# KiCad board ws2812-clock.kicad_pcb (continued)
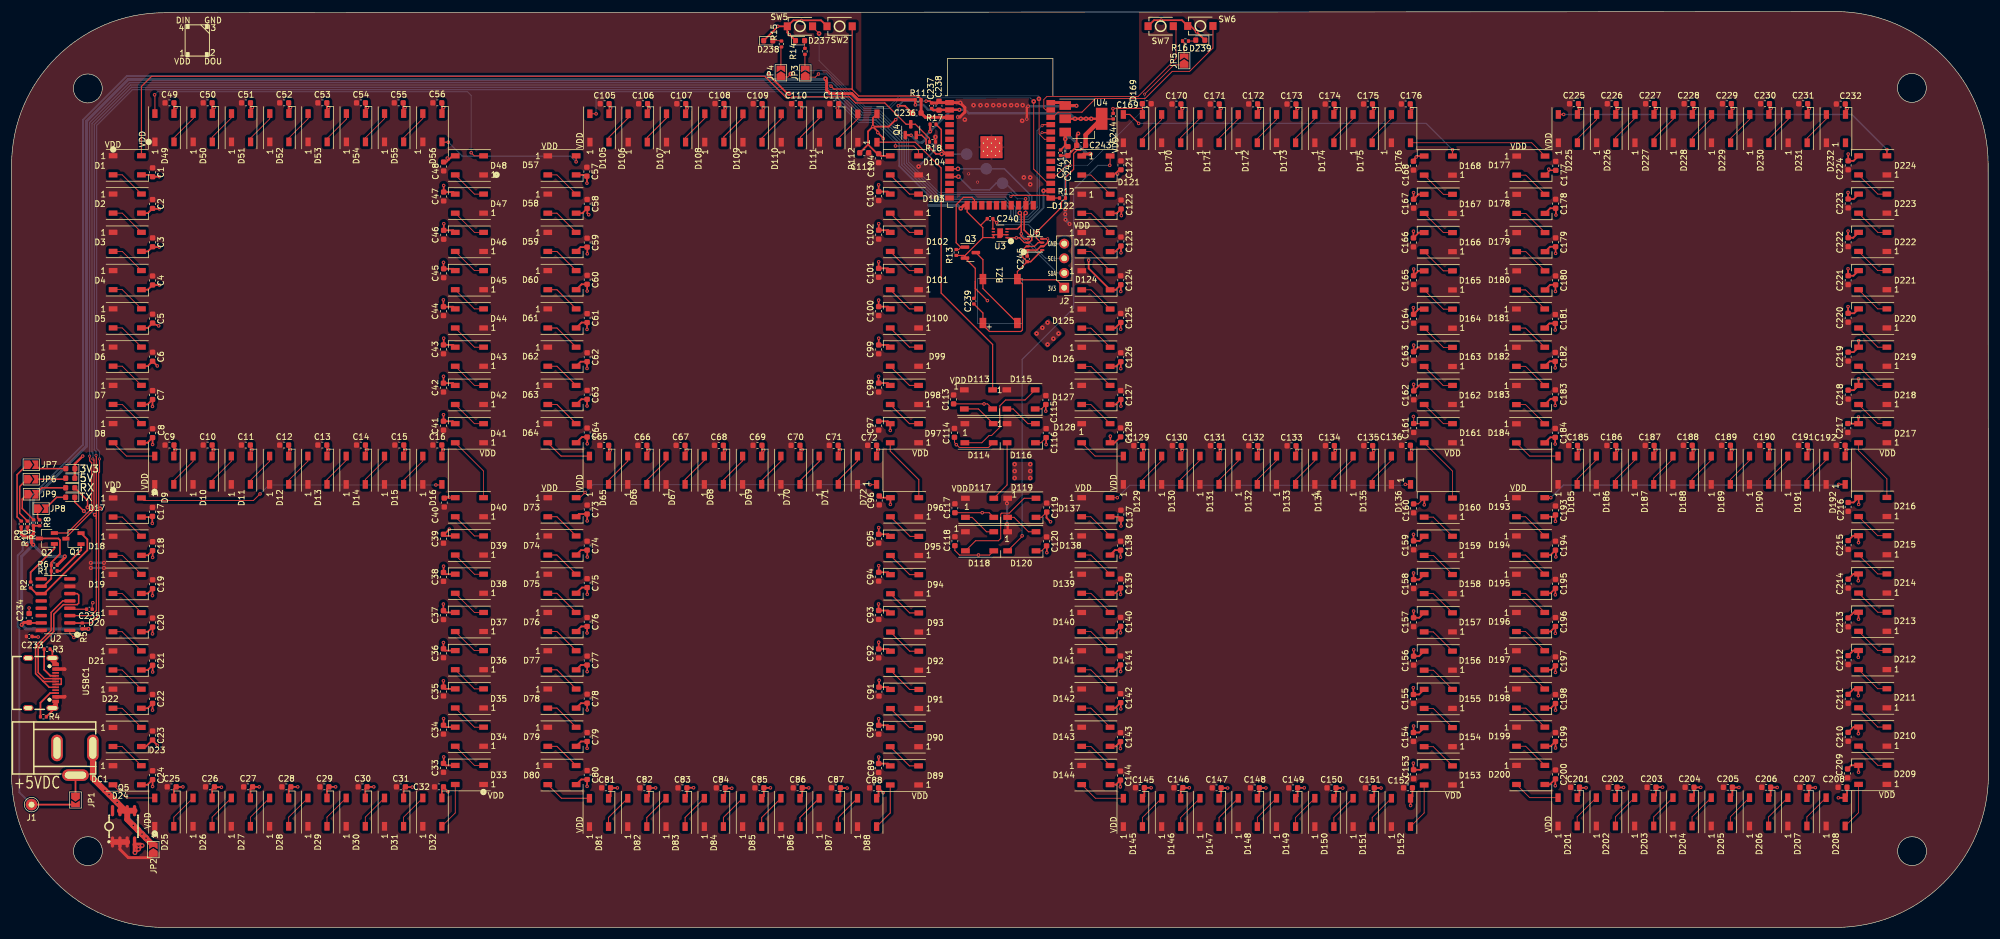
[diagram p0: board, top side]
## Routing (per net, layer and track width the routed paths; a pad name or vN(x,y) marks a point on that pad's centre or on a via; arc(x,y) is an arc through that point) (continued)
  Bottom w0.15: v1(139.5,147.65) 140.93,147.65 147.26,141.32 150.11,141.32 155.08,136.35 155.08,132.41 160.35,127.15 172.8,127.15 173.9,126.05 v1(175.3,126.05)
/BARREL_JACK_STATUS: length 320.2
  Top w0.3: U1.26 179.64,127.45 v3(178.4,127.45) ; J1.1 10.98,21.25 JP1.2 ; v3(130.9,147.55) 130.9,147.48 134.13,144.25 v3(134.4,144.25)
  Bottom w0.3: v3(178.4,127.45) 178.4,124.5 175.94,122.04 173.66,122.04 172.75,122.95 172.75,124.2 171.42,125.52 159.67,125.52 153.46,131.74 153.46,135.68 149.44,139.7 146.58,139.7 142.18,144.1 141.05,144.1 140.65,144.5 134.65,144.5 v3(134.4,144.25) ; J1.1 1.35,23.35 1.35,51.76 1.05,52.06 1.05,64.35 1.92,65.22 1.92,66.49 2.25,66.82 2.25,68.79 3.15,69.69 3.15,74.31 12.35,83.51 12.35,139.73 19.92,147.3 130.65,147.3 v3(130.9,147.55)
/BEEPER: length 14.9
  Top w0.2: U1.16 166.46,125.89 166.05,126.3 164.55,126.3 163.3,125.05 163.3,118.45 164.05,117.7 Q3.1 164.15,117.7 163.73,117.28 R13.2
/EN: length 239.7
  Top w0.2: v1(141.65,145.55) 142.15,145.05 145.25,145.05 145.33,144.97 ; v4(14.05,81.05) 14.25,80.85 14.25,72.3 9.39,67.44 Q1.3 ; 145.33,144.97 146.45,143.85 156.73,143.85 157.22,143.36 R11.2 ; 145.33,144.97 SW2.2
  Top w0.5: U1.3 157.97,140.16 C236.2 157.23,143.18 R11.2
  Bottom w0.2: v1(141.65,145.55) 141.45,145.75 20.57,145.75 13.9,139.08 13.9,82.25 14.05,82.1 v4(14.05,81.05)
/ESP_RX: length 290.9
  Top w0.2: R5.1 13.71,52.66 15.05,54 15.05,72.6 ; 15.05,72.6 15.05,78.65 15.2,78.8 v4(15.2,81.05) ; 15.05,72.6 15.2,72.6 v2(15.3,72.5) ; U1.34 179.53,137.5 v4(178.15,137.5)
  Top w0.25: v2(13.13,72.67) 13.13,73.85 D233.1
  Top w0.3: R5.1 10.09,52.66 U2.2
  Bottom w0.2: v2(15.3,72.5) 15.2,72.6 13.2,72.6 v2(13.13,72.67) ; v4(178.15,137.5) 177.7,137.05 177.7,124.44 175.76,122.49 173.84,122.49 173.2,123.13 173.2,124.38 171.61,125.97 159.86,125.97 153.91,131.93 153.91,135.87 149.63,140.15 146.77,140.15 142.37,144.55 141.24,144.55 140.84,144.95 20.9,144.95 14.7,138.75 14.7,82.85 15.2,82.35 v4(15.2,81.05)
/ESP_TX: length 290.4
  Top w0.2: 14.65,70.7 14.65,71.6 14.6,71.6 v2(14.4,71.4) ; 14.65,70.7 14.65,81.63 v4(14.6,81.68) ; 14.65,70.7 14.65,54.83 13.76,53.94 U2.3 ; U1.35 178.34,138.89 v4(178.15,138.7)
  Top w0.25: v2(12.5,72.03) 10.92,73.61 D234.1
  Bottom w0.2: v4(14.6,81.68) 14.6,82.35 14.3,82.65 14.3,138.92 20.73,145.35 141.05,145.35 141.05,145.3 141.4,144.95 142.53,144.95 146.93,140.55 149.79,140.55 154.31,136.03 154.31,132.09 160.02,126.37 171.78,126.37 173.6,124.55 173.6,123.3 174.01,122.89 175.59,122.89 177.3,124.6 177.3,137.85 v4(178.15,138.7) ; v2(12.5,72.03) 12.83,71.7 14.1,71.7 v2(14.4,71.4)
/Flasher/DTR: length 13.3
  Top w0.3: Q2.3 8.09,67.29 8.36,67.01 8.36,64.61 6.87,63.12 R6.1 6.86,62.67 R1.1 6.86,60.35 5.54,59.02 U2.10
/Flasher/RTS: length 16.7
  Top w0.3: Q1.2 13.1,67.12 13.1,65.25 5.61,57.75 U2.11 4.29,57.75 R2.1
/Flasher/USB_DN: length 25.7
  Top w0.25: USBC1.A7 8.54,42.04 8.6,42.1 8.6,42.99 8.54,43.04 USBC1.B7 5.66,43.04 4.6,44.1 4.6,48.51 7.3,51.21 7.3,54.2 8.95,55.85 11.35,55.85 11.6,56.1 11.6,57.5 11.34,57.75 U2.6
/Flasher/USB_DP: length 22.5
  Top w0.25: 5.4,42.65 6.51,41.54 USBC1.B6 ; 5.4,42.65 5.51,42.54 USBC1.A6 ; 5.4,42.65 4.15,43.9 4.15,48.7 6.85,51.4 6.85,54.5 8.84,56.48 U2.5
/IO0: length 256.4
  Top w0.2: Q2.2 9.62,68.24 13.85,72.47 13.85,80.39 13.5,80.74 v4(13.5,81.55) ; R12.2 U1.25 179.19,126.65 172.96,126.65 v4(172.76,126.45)
  Bottom w0.2: v4(13.5,81.55) 13.5,139.25 20.4,146.15 141.9,146.15 147.1,140.95 149.96,140.95 154.71,136.2 154.71,132.26 160.19,126.77 172.43,126.77 v4(172.76,126.45)
/LEDS: length 18.4
  Top w0.25: Q4.2 157.32,137.07 158.09,136.31 158.09,135.52 159.81,133.81 v5(160.79,133.81) U1.8 161.56,133.81 160.73,134.64 160.73,138.03 R17.2
  Bottom w0.25: v5(160.79,133.81) 160.81,133.79 LEDS.1
/SCL: length 37
  Top w0.25: 174.55,121.5 173.9,120.85 U3.4 ; 174.55,121.5 174.55,123.34 v5(174.3,123.59) ; 174.55,121.5 v1(174.55,120) 174.55,119.6 175.01,119.14 U5.4 ; v5(163.69,129.89) 162.26,129.89 U1.11
  Bottom w0.2: v1(174.55,120) 178.79,115.76 J2.3
  Bottom w0.25: v5(174.3,123.59) 174.3,124.17 175.92,125.79 175.92,126.31 175.56,126.67 173.88,126.67 171.8,128.75 SCL.1 170.2,128.75 169.06,127.6 165.97,127.6 v5(163.69,129.89)
/SDA: length 40.5
  Top w0.2: U3.1 172.12,119.3 v1(173.7,119.3) 174.25,119.3 175.07,118.48 U5.3
  Top w0.25: v5(175.3,123.59) 175.05,123.34 175.05,120.66 176.36,119.35 176.36,118.91 175.92,118.48 U5.3 ; v5(163.61,131.24) 162.18,131.24 U1.10
  Bottom w0.2: v1(173.7,119.3) 174.68,119.3 180.76,113.22 J2.2
  Bottom w0.25: v5(175.3,123.59) 175.3,124.53 176.38,125.6 176.38,126.5 171.62,131.25 SDA.1 167.77,131.25 167.76,131.24 v5(163.61,131.24)
/SNOOZE_ALARM: length 34.4
  Top w0.13: SW7.2 201.3,155.45 201.3,150.31 194.74,143.75 178.97,143.75 178.45,143.23 178.45,141.75 178.77,141.43 U1.37
/STA_STATUS_LED: length 63.6
  Top w0.15: v3(176.7,142.91) 176.7,131.2 179.17,128.73 U1.27 ; JP4.1 134.17,147.12 v3(134.7,147.65)
  Bottom w0.15: v3(176.7,142.91) 176.08,143.52 153.67,143.52 151.82,141.67 147.4,141.67 140.83,148.25 135.3,148.25 v3(134.7,147.65)
/TOGGLE_ALARM: length 36.8
  Top w0.15: U1.36 180.01,140.16 180.9,141.05 185.05,141.05 187.41,143.41 195.96,143.41 200.65,148.1 203.65,148.1 207.69,152.14 SW6.2
/TOGGLE_AP: length 57.6
  Top w0.13: U1.33 178.57,136.35 177.63,137.29 177.63,143.41 177.6,143.45 ; SW5.2 138.47,155.78 v3(139.6,154.65)
  Bottom w0.13: 177.6,143.25 177.6,143.75 177.48,143.86 153.53,143.86 151.68,142.01 147.54,142.01 139.6,149.96 v3(139.6,154.65)
  vias: v3(177.6,143.35)
Net-(BZ1-+): length 15.2
  Top w0.2: Q3.3 167.92,115.53 BZ1.2 167.92,110.53 BZ1.2
Net-(D1-DIN): length 154.1
  Top w0.2: R18.1 158.69,136.51 156.25,138.95 Q4.3 154.65,138.95 150.96,142.64 145.91,142.64 144.85,143.7 134.94,143.7 134.79,143.55 133.9,143.55 130.2,147.25 24.2,147.25 22.45,145.5 D1.4
Net-(D1-DOUT): length 6.3
  Top w0.13: D1.2 19.13,130.2 D2.4
Net-(D2-DOUT): length 6.3
  Top w0.13: D2.2 19.13,123.58 D3.4
Net-(D3-DOUT): length 6.3
  Top w0.13: D4.4 19.13,116.96 D3.2
Net-(D4-DOUT): length 6.3
  Top w0.13: D5.4 19.13,110.34 D4.2
Net-(D5-DOUT): length 6.3
  Top w0.13: D5.2 19.13,103.72 D6.4
Net-(D6-DOUT): length 6.3
  Top w0.13: D7.4 19.13,97.1 D6.2
Net-(D7-DOUT): length 6.3
  Top w0.13: D8.4 19.13,90.48 D7.2
Net-(D8-DOUT): length 8.2
  Top w0.13: D8.2 19.86,81.55 D9.4
Net-(D10-DIN): length 6.3
  Top w0.13: D9.2 28.05,77.3 31.37,80.62 D10.4
Net-(D10-DOUT): length 6.3
  Top w0.13: D10.2 34.67,77.32 37.99,80.64 D11.4
Net-(D11-DOUT): length 6.3
  Top w0.13: D11.2 41.29,77.34 44.61,80.66 D12.4
Net-(D12-DOUT): length 6.3
  Top w0.13: D12.2 47.91,77.36 51.23,80.68 D13.4
Net-(D13-DOUT): length 6.3
  Top w0.13: D14.4 57.85,80.8 54.53,77.48 D13.2
Net-(D14-DOUT): length 6.3
  Top w0.13: D15.4 64.47,80.82 61.15,77.5 D14.2
Net-(D15-DOUT): length 6.3
  Top w0.13: D15.2 67.77,77.38 71.09,80.69 D16.4
Net-(D16-DOUT): length 53.3
  Top w0.15: v1(73.35,76.55) 74.29,76.55 D16.2 ; D17.4 22.89,73.86 41.81,73.86 v1(42.95,75)
  Bottom w0.15: v1(42.95,75) 44.5,76.55 v1(73.35,76.55)
Net-(D17-DOUT): length 6.3
  Top w0.13: D17.2 19.13,71 D18.4
Net-(D18-DOUT): length 6.2
  Top w0.13: D19.4 19.13,64.38 D18.2
Net-(D19-DOUT): length 6.3
  Top w0.13: D20.4 19.11,57.78 D19.2
Net-(D20-DOUT): length 6.3
  Top w0.13: D20.2 19.11,51.16 D21.4
Net-(D21-DOUT): length 6.3
  Top w0.13: D21.2 19.11,44.54 D22.4
Net-(D22-DOUT): length 6.3
  Top w0.13: D23.4 19.11,37.92 D22.2
Net-(D23-DOUT): length 6.3
  Top w0.13: D24.4 19.11,31.3 D23.2
Net-(D24-DOUT): length 8.2
  Top w0.13: D25.4 19.81,22.4 D24.2
Net-(D25-DOUT): length 6.3
  Top w0.13: D25.2 28.05,19.08 D26.4
Net-(D26-DOUT): length 6.3
  Top w0.13: D26.2 34.67,19.08 D27.4
Net-(D27-DOUT): length 6.3
  Top w0.13: D28.4 41.29,19.08 D27.2
Net-(D28-DOUT): length 6.3
  Top w0.13: D28.2 47.91,19.08 D29.4
Net-(D29-DOUT): length 6.3
  Top w0.13: D30.4 54.53,19.08 D29.2
Net-(D30-DOUT): length 6.3
  Top w0.13: D30.2 61.15,19.08 D31.4
Net-(D31-DOUT): length 6.3
  Top w0.13: D32.4 67.77,19.08 D31.2
Net-(D32-DOUT): length 8.2
  Top w0.13: D32.2 76.7,19.81 D33.4
Net-(D33-DOUT): length 6.3
  Top w0.13: D34.4 80.02,28.03 D33.2
Net-(D34-DOUT): length 6.3
  Top w0.13: D34.2 80.02,34.65 D35.4
Net-(D35-DOUT): length 6.3
  Top w0.13: D36.4 80.02,41.27 D35.2
Net-(D36-DOUT): length 6.3
  Top w0.13: D37.4 80,47.89 D36.2
Net-(D37-DOUT): length 6.3
  Top w0.13: D38.4 80.02,54.49 D37.2
Net-(D38-DOUT): length 6.3
  Top w0.13: D38.2 80.02,61.11 D39.4
Net-(D39-DOUT): length 6.3
  Top w0.13: D39.2 80.02,67.73 D40.4
Net-(D40-DOUT): length 11.5
  Top w0.13: D40.2 81.6,78.95 D41.4
Net-(D41-DOUT): length 6.3
  Top w0.13: D41.2 80.02,87.15 D42.4
Net-(D42-DOUT): length 6.3
  Top w0.13: D43.4 80.02,93.77 D42.2
Net-(D43-DOUT): length 6.3
  Top w0.13: D44.4 80.02,100.39 D43.2
Net-(D44-DOUT): length 6.3
  Top w0.13: D45.4 80.02,107.01 D44.2
Net-(D45-DOUT): length 6.3
  Top w0.13: D45.2 80.02,113.63 D46.4
Net-(D46-DOUT): length 6.3
  Top w0.13: D47.4 80.02,120.25 D46.2
Net-(D47-DOUT): length 6.3
  Top w0.13: D47.2 80.02,126.87 D48.4
Net-(D48-DOUT): length 70.8
  Top w0.15: v1(24.73,144.05) 24.78,144 D49.4 ; v1(79.45,134.02) 79.98,133.49 D48.2
  Bottom w0.15: v1(79.45,134.02) 79.45,143.95 78.82,144.57 25.25,144.57 v1(24.73,144.05)
Net-(D49-DOUT): length 6.3
  Top w0.13: D50.4 31.4,139.95 28.08,136.63 D49.2
Net-(D50-DOUT): length 6.3
  Top w0.13: D51.4 38.02,140.07 34.7,136.75 D50.2
Net-(D51-DOUT): length 6.3
  Top w0.13: D52.4 44.64,139.89 41.32,136.57 D51.2
Net-(D52-DOUT): length 6.3
  Top w0.13: D53.4 51.26,139.91 47.94,136.59 D52.2
Net-(D53-DOUT): length 6.3
  Top w0.13: D54.4 57.88,139.83 54.56,136.51 D53.2
Net-(D54-DOUT): length 6.3
  Top w0.13: D54.2 61.18,136.63 64.48,139.93 D55.4
Net-(D55-DOUT): length 6.3
  Top w0.13: D56.4 71.1,139.95 67.78,136.63 D55.2
Net-(D56-DOUT): length 25.7
  Top w0.2: D57.4 v1(97.6,132.45) ; v1(75.5,135.85) 74.45,135.85 D56.2
  Bottom w0.2: v1(97.6,132.45) 96.62,133.42 77.93,133.42 v1(75.5,135.85)
Net-(D57-DOUT): length 6.3
  Top w0.13: D57.2 94.28,130.19 D58.4
Net-(D58-DOUT): length 6.3
  Top w0.16: D59.4 94.28,123.57 D58.2
Net-(D59-DOUT): length 6.3
  Top w0.16: D59.2 94.28,116.95 D60.4
Net-(D60-DOUT): length 6.3
  Top w0.16: D60.2 94.28,110.33 D61.4
Net-(D61-DOUT): length 6.3
  Top w0.16: D61.2 94.28,103.71 D62.4
Net-(D62-DOUT): length 6.3
  Top w0.16: D63.4 94.28,97.09 D62.2
Net-(D63-DOUT): length 6.3
  Top w0.16: D64.4 94.28,90.47 D63.2
Net-(D64-DOUT): length 8.2
  Top w0.16: D65.4 95,81.55 D64.2
Net-(D65-DOUT): length 6.3
  Top w0.16: D65.2 103.2,77.35 106.52,80.67 D66.4
Net-(D66-DOUT): length 6.3
  Top w0.16: D67.4 113.14,80.69 109.82,77.37 D66.2
Net-(D67-DOUT): length 6.3
  Top w0.16: D67.2 116.44,77.49 119.76,80.81 D68.4
Net-(D68-DOUT): length 6.3
  Top w0.16: D69.4 126.38,80.73 123.06,77.41 D68.2
Net-(D69-DOUT): length 6.3
  Top w0.16: D69.2 129.68,77.33 133,80.65 D70.4
Net-(D70-DOUT): length 6.3
  Top w0.16: D71.4 139.62,80.62 136.3,77.3 D70.2
Net-(D71-DOUT): length 6.3
  Top w0.16: D72.4 146.24,80.69 142.92,77.37 D71.2
Net-(D72-DOUT): length 52.9
  Top w0.15: v1(99.15,75.25) 98.25,74.35 D73.4 ; D72.2 149.49,76.6 v1(148.4,76.6)
  Bottom w0.15: v1(148.4,76.6) 100.5,76.6 v1(99.15,75.25)
Net-(D73-DOUT): length 6.3
  Top w0.16: D73.2 94.28,71.05 D74.4
Net-(D74-DOUT): length 6.3
  Top w0.16: D75.4 94.28,64.43 D74.2
Net-(D75-DOUT): length 6.3
  Top w0.16: D76.4 94.28,57.81 D75.2
Net-(D76-DOUT): length 6.3
  Top w0.16: D77.4 94.28,51.19 D76.2
Net-(D77-DOUT): length 6.3
  Top w0.16: D77.2 94.28,44.57 D78.4
Net-(D78-DOUT): length 6.3
  Top w0.16: D79.4 94.28,37.95 D78.2
Net-(D79-DOUT): length 6.3
  Top w0.16: D79.2 94.28,31.33 D80.4
Net-(D80-DOUT): length 8.2
  Top w0.16: D81.4 95.06,22.35 D80.2
Net-(D81-DOUT): length 6.3
  Top w0.16: D82.4 103.2,19.03 D81.2
Net-(D82-DOUT): length 6.3
  Top w0.16: D83.4 109.82,19.03 D82.2
Net-(D83-DOUT): length 6.3
  Top w0.16: D83.2 116.44,19.03 D84.4
Net-(D84-DOUT): length 6.3
  Top w0.16: D84.2 123.06,19.03 D85.4
Net-(D85-DOUT): length 6.3
  Top w0.16: D85.2 129.68,19.03 D86.4
Net-(D86-DOUT): length 6.3
  Top w0.16: D87.4 136.3,19.03 D86.2
Net-(D87-DOUT): length 6.3
  Top w0.16: D88.4 142.92,19.03 D87.2
Net-(D88-DOUT): length 8.2
  Top w0.16: D89.4 151.9,19.81 D88.2
Net-(D89-DOUT): length 6.3
  Top w0.16: D89.2 155.22,27.95 D90.4
Net-(D90-DOUT): length 6.2
  Top w0.16: D90.2 155.24,34.57 D91.4
Net-(D91-DOUT): length 6.3
  Top w0.16: D92.4 155.26,41.17 D91.2
Net-(D92-DOUT): length 6.3
  Top w0.16: D93.4 155.26,47.79 D92.2
Net-(D93-DOUT): length 6.3
  Top w0.16: D93.2 155.26,54.41 D94.4
Net-(D94-DOUT): length 6.3
  Top w0.16: D94.2 155.26,61.03 D95.4
Net-(D95-DOUT): length 6.3
  Top w0.16: D96.4 155.34,67.65 D95.2
Net-(D96-DOUT): length 11.5
  Top w0.16: D96.2 156.84,77.46 151.9,82.4 D97.4
Net-(D97-DOUT): length 6.3
  Top w0.16: D97.2 155.22,87.15 D98.4
Net-(D98-DOUT): length 6.3
  Top w0.16: D98.2 155.22,93.77 D99.4
Net-(D100-DIN): length 6.3
  Top w0.16: D100.4 155.22,100.39 D99.2
Net-(D100-DOUT): length 6.3
  Top w0.16: D101.4 155.22,107.01 D100.2
Net-(D101-DOUT): length 6.3
  Top w0.16: D101.2 155.22,113.63 D102.4
Net-(D102-DOUT): length 6.3
  Top w0.16: D102.2 155.22,120.25 D103.4
Net-(D103-DOUT): length 6.3
  Top w0.16: D103.2 155.22,126.87 D104.4
Net-(D104-DOUT): length 65.6
  Top w0.15: D105.4 101.03,140.77 v1(101.05,140.75) ; D104.2 156.8,134.38 155.98,135.2 v1(152.8,135.2)
  Bottom w0.15: v1(152.8,135.2) 152.8,135.74 149.26,139.27 146.41,139.27 142.11,143.58 134.12,143.58 133.12,144.57 101.88,144.57 101.05,143.75 v1(101.05,140.75)
Net-(D105-DOUT): length 6.3
  Top w0.16: D105.2 103.28,136.73 106.6,140.05 D106.4
Net-(D106-DOUT): length 6.3
  Top w0.16: D107.4 113.22,140.02 109.9,136.7 D106.2
Net-(D107-DOUT): length 6.3
  Top w0.16: D108.4 119.84,139.99 116.52,136.67 D107.2
Net-(D108-DOUT): length 6.2
  Top w0.16: D108.2 123.14,136.79 126.44,140.09 D109.4
Net-(D109-DOUT): length 6.3
  Top w0.16: D110.4 133.06,139.91 129.74,136.59 D109.2
Net-(D110-DOUT): length 6.3
  Top w0.16: D110.2 136.36,136.71 139.68,140.03 D111.4
Net-(D111-DOUT): length 6.3
  Top w0.16: D111.2 142.98,136.58 146.3,139.9 D112.4
Net-(D112-DOUT): length 55
  Top w0.2: D112.2 156.24,135.85 160.7,131.39 160.7,109.75 169.6,100.85 D113.4
Net-(D113-DOUT): length 6.1
  Top w0.16: D114.4 167.15,89.7 D113.2
Net-(D114-DOUT): length 18.1
  Top w0.16: D115.4 175.2,91.25 171.84,91.25 170.85,90.26 170.85,86.54 169.41,85.1 168.98,85.1 167.73,83.85 D114.2
Net-(D115-DOUT): length 6
  Top w0.16: D115.2 173.15,89.7 175.7,87.15 D116.4
Net-(D116-DOUT): length 10.6
  Top w0.16: D116.2 172.1,76.55 D117.4
Net-(D117-DOUT): length 5.9
  Top w0.16: D117.2 166.05,70.95 168.55,68.45 D118.4
Net-(D118-DOUT): length 18.4
  Top w0.16: D118.2 166.65,66.9 170.6,66.9 171,67.3 171,71.51 171.17,71.68 172.48,71.68 175.05,74.25 D119.4
Net-(D119-DOUT): length 5.9
  Top w0.16: D120.4 175.8,68.45 173.3,70.95 D119.2
Net-(D120-DOUT): length 76.9
  Top w0.16: v1(174.7,67.75) 174.7,67.65 D120.2 ; v1(189.85,131.85) 189.91,131.91 D121.4
  Bottom w0.2: v1(174.7,67.75) 174.7,98.25 183.6,107.15 183.6,127.65 187.8,131.85 v1(189.85,131.85)
Net-(D121-DOUT): length 6.3
  Top w0.13: D121.2 186.59,130.17 D122.4
Net-(D122-DOUT): length 6.3
  Top w0.13: D123.4 186.59,123.55 D122.2
Net-(D123-DOUT): length 6.3
  Top w0.13: D124.4 186.59,116.93 D123.2
Net-(D124-DOUT): length 6.3
  Top w0.13: D124.2 186.59,110.31 D125.4
Net-(D125-DOUT): length 6.3
  Top w0.13: D126.4 186.59,103.69 D125.2
Net-(D126-DOUT): length 6.3
  Top w0.13: D126.2 186.6,97.07 D127.4
Net-(D127-DOUT): length 6.3
  Top w0.13: D127.2 186.58,90.47 D128.4
Net-(D128-DOUT): length 8.2
  Top w0.13: D128.2 187.3,81.55 D129.4
Net-(D129-DOUT): length 6.3
  Top w0.13: D129.2 195.5,77.45 198.82,80.77 D130.4
Net-(D130-DOUT): length 6.3
  Top w0.13: D131.4 205.44,80.84 202.12,77.52 D130.2
Net-(D131-DOUT): length 6.3
  Top w0.13: D132.4 212.06,80.71 208.74,77.39 D131.2
Net-(D132-DOUT): length 6.3
  Top w0.13: D133.4 218.68,80.78 215.36,77.46 D132.2
Net-(D133-DOUT): length 6.3
  Top w0.13: D133.2 221.98,77.43 225.3,80.75 D134.4
Net-(D134-DOUT): length 6.3
  Top w0.13: D134.2 228.6,77.7 231.92,81.02 D135.4
Net-(D135-DOUT): length 6.3
  Top w0.13: D135.2 235.22,77.52 238.54,80.84 D136.4
Net-(D136-DOUT): length 52.9
  Top w0.15: v1(191.15,74.35) D137.4 ; D136.2 v1(240.95,76.65)
  Bottom w0.15: v1(240.95,76.65) 240.8,76.5 193.3,76.5 v1(191.15,74.35)
Net-(D137-DOUT): length 6.3
  Top w0.13: D137.2 186.58,71.05 D138.4
Net-(D138-DOUT): length 6.3
  Top w0.13: D139.4 186.58,64.43 D138.2
Net-(D139-DOUT): length 6.3
  Top w0.13: D140.4 186.58,57.81 D139.2
Net-(D140-DOUT): length 6.3
  Top w0.13: D140.2 186.58,51.19 D141.4
Net-(D141-DOUT): length 6.3
  Top w0.13: D142.4 186.58,44.57 D141.2
Net-(D142-DOUT): length 6.3
  Top w0.13: D142.2 186.58,37.95 D143.4
Net-(D143-DOUT): length 6.3
  Top w0.13: D144.4 186.58,31.33 D143.2
Net-(D144-DOUT): length 8.2
  Top w0.13: D144.2 187.36,22.35 D145.4
Net-(D145-DOUT): length 6.3
  Top w0.13: D146.4 195.5,19.03 D145.2
Net-(D146-DOUT): length 6.3
  Top w0.13: D147.4 202.12,19.03 D146.2
Net-(D147-DOUT): length 6.3
  Top w0.13: D147.2 208.74,19.03 D148.4
Net-(D148-DOUT): length 6.3
  Top w0.13: D149.4 215.36,19.03 D148.2
Net-(D149-DOUT): length 6.3
  Top w0.13: D150.4 221.98,19.03 D149.2
Net-(D150-DOUT): length 6.3
  Top w0.13: D150.2 228.6,19.03 D151.4
Net-(D151-DOUT): length 6.3
  Top w0.13: D152.4 235.22,19.03 D151.2
Net-(D152-DOUT): length 8.2
  Top w0.13: D153.4 244.2,19.81 D152.2
Net-(D153-DOUT): length 6.3
  Top w0.13: D153.2 245.78,31.27 D154.4
Net-(D154-DOUT): length 6.3
  Top w0.13: D154.2 245.78,37.89 D155.4
Net-(D155-DOUT): length 6.3
  Top w0.13: D156.4 245.78,44.51 D155.2
Net-(D156-DOUT): length 6.3
  Top w0.13: D156.2 245.78,51.13 D157.4
Net-(D157-DOUT): length 6.3
  Top w0.13: D158.4 245.78,57.75 D157.2
Net-(D158-DOUT): length 6.3
  Top w0.13: D158.2 245.78,64.37 D159.4
Net-(D159-DOUT): length 6.3
  Top w0.13: D159.2 245.78,70.99 D160.4
Net-(D160-DOUT): length 11.6
  Top w0.13: D161.4 249.1,78.95 D160.2
Net-(D161-DOUT): length 6.3
  Top w0.13: D162.4 247.52,87.15 D161.2
Net-(D162-DOUT): length 6.3
  Top w0.13: D162.2 247.48,93.77 D163.4
Net-(D163-DOUT): length 6.3
  Top w0.13: D163.2 247.52,100.35 D164.4
Net-(D164-DOUT): length 6.3
  Top w0.13: D164.2 247.52,106.97 D165.4
Net-(D165-DOUT): length 6.3
  Top w0.13: D166.4 247.52,113.59 D165.2
Net-(D166-DOUT): length 6.3
  Top w0.13: D167.4 247.52,120.21 D166.2
Net-(D167-DOUT): length 6.3
  Top w0.13: D168.4 247.52,126.83 D167.2
Net-(D168-DOUT): length 60.5
  Top w0.2: D169.4 193.3,140.65 v1(194.85,139.1) ; v1(249.1,134.55) D168.2
  Bottom w0.2: v1(249.1,134.55) 244.55,139.1 v1(194.85,139.1)
Net-(D169-DOUT): length 6.3
  Top w0.13: D170.4 198.82,139.77 195.5,136.45 D169.2
Net-(D170-DOUT): length 6.3
  Top w0.13: D170.2 202.12,136.67 205.44,139.99 D171.4
Net-(D171-DOUT): length 6.3
  Top w0.13: D171.2 208.74,136.54 212.06,139.86 D172.4
Net-(D172-DOUT): length 6.3
  Top w0.13: D172.2 215.36,136.46 218.68,139.78 D173.4
Net-(D173-DOUT): length 6.3
  Top w0.13: D173.2 221.98,136.58 225.3,139.9 D174.4
Net-(D174-DOUT): length 6.3
  Top w0.13: D175.4 231.92,139.92 228.6,136.6 D174.2
Net-(D175-DOUT): length 6.3
  Top w0.13: D176.4 238.54,139.94 235.22,136.62 D175.2
Net-(D176-DOUT): length 24.2
  Top w0.13: D176.2 262.8,135.75 D177.4
Net-(D177-DOUT): length 6.3
  Top w0.13: D177.2 261.78,130.15 D178.4
Net-(D178-DOUT): length 6.3
  Top w0.13: D179.4 261.78,123.53 D178.2
Net-(D179-DOUT): length 6.3
  Top w0.13: D179.2 261.78,116.91 D180.4
Net-(D180-DOUT): length 6.2
  Top w0.13: D180.2 261.75,110.29 D181.4
Net-(D181-DOUT): length 6.3
  Top w0.13: D181.2 261.73,103.69 D182.4
Net-(D182-DOUT): length 6.3
  Top w0.13: D182.2 261.73,97.07 D183.4
Net-(D183-DOUT): length 6.3
  Top w0.13: D183.2 261.73,90.45 D184.4
Net-(D184-DOUT): length 8.1
  Top w0.13: D185.4 262.43,81.55 D184.2
Net-(D185-DOUT): length 6.3
  Top w0.13: D185.2 270.65,77.57 273.97,80.89 D186.4
Net-(D186-DOUT): length 6.3
  Top w0.13: D187.4 280.59,80.81 277.27,77.49 D186.2
Net-(D187-DOUT): length 6.3
  Top w0.13: D188.4 287.21,81.06 283.89,77.74 D187.2
Net-(D188-DOUT): length 6.3
  Top w0.13: D188.2 290.51,77.53 293.83,80.85 D189.4
Net-(D189-DOUT): length 6.3
  Top w0.13: D190.4 300.45,80.8 297.13,77.48 D189.2
Net-(D190-DOUT): length 6.3
  Top w0.13: D190.2 303.75,77.55 307.07,80.87 D191.4
Net-(D191-DOUT): length 6.3
  Top w0.13: D192.4 313.69,80.86 310.37,77.54 D191.2
Net-(D192-DOUT): length 52.9
  Top w0.25: D193.4 v1(266.1,74.35) ; v1(315.88,76.65) D192.2
  Bottom w0.25: v1(315.88,76.65) 315.75,76.52 268.28,76.52 v1(266.1,74.35)
Net-(D193-DOUT): length 6.3
  Top w0.13: D194.4 261.73,71.05 D193.2
Net-(D194-DOUT): length 6.3
  Top w0.13: D194.2 261.73,64.43 D195.4
Net-(D195-DOUT): length 6.3
  Top w0.13: D196.4 261.73,57.81 D195.2
Net-(D196-DOUT): length 6.3
  Top w0.13: D196.2 261.73,51.19 D197.4
Net-(D197-DOUT): length 6.3
  Top w0.13: D198.4 261.73,44.57 D197.2
Net-(D198-DOUT): length 6.3
  Top w0.13: D198.2 261.77,37.95 D199.4
Net-(D199-DOUT): length 6.3
  Top w0.13: D199.2 261.75,31.35 D200.4
Net-(D200-DOUT): length 8.1
  Top w0.13: D201.4 262.45,22.45 D200.2
Net-(D201-DOUT): length 6.3
  Top w0.13: D202.4 270.65,19.13 D201.2
Net-(D202-DOUT): length 6.3
  Top w0.13: D203.4 277.27,19.13 D202.2
Net-(D203-DOUT): length 6.3
  Top w0.13: D204.4 283.89,19.13 D203.2
Net-(D204-DOUT): length 6.3
  Top w0.13: D205.4 290.51,19.13 D204.2
Net-(D205-DOUT): length 6.3
  Top w0.13: D205.2 297.13,19.13 D206.4
Net-(D206-DOUT): length 6.3
  Top w0.13: D207.4 303.75,19.13 D206.2
Net-(D207-DOUT): length 6.3
  Top w0.13: D207.2 310.37,19.13 D208.4
Net-(D208-DOUT): length 8.2
  Top w0.13: D208.2 319.3,19.86 D209.4
Net-(D209-DOUT): length 6.3
  Top w0.13: D210.4 322.62,28.05 D209.2
Net-(D210-DOUT): length 6.3
  Top w0.13: D210.2 322.62,34.67 D211.4
Net-(D211-DOUT): length 6.3
  Top w0.13: D211.2 322.62,41.29 D212.4
Net-(D212-DOUT): length 6.3
  Top w0.13: D212.2 322.62,47.91 D213.4
Net-(D213-DOUT): length 6.3
  Top w0.13: D213.2 322.62,54.53 D214.4
Net-(D214-DOUT): length 6.3
  Top w0.13: D215.4 322.62,61.15 D214.2
Net-(D215-DOUT): length 6.3
  Top w0.13: D215.2 322.62,67.77 D216.4
Net-(D216-DOUT): length 11.5
  Top w0.13: D217.4 319.3,82.5 324.2,77.6 D216.2
Net-(D217-DOUT): length 6.3
  Top w0.13: D218.4 322.62,87.15 D217.2
Net-(D218-DOUT): length 6.3
  Top w0.13: D218.2 322.62,93.77 D219.4
Net-(D219-DOUT): length 6.3
  Top w0.13: D220.4 322.62,100.39 D219.2
Net-(D220-DOUT): length 6.3
  Top w0.13: D221.4 322.62,107.01 D220.2
Net-(D221-DOUT): length 6.3
  Top w0.13: D221.2 322.62,113.63 D222.4
Net-(D222-DOUT): length 6.3
  Top w0.13: D222.2 322.62,120.25 D223.4
Net-(D223-DOUT): length 6.3
  Top w0.13: D224.4 322.62,126.87 D223.2
Net-(D224-DOUT): length 60.4
  Top w0.25: D225.4 v1(268.33,140.65) ; v1(324.2,134.57) D224.2
  Bottom w0.25: v1(268.33,140.65) 318.12,140.65 v1(324.2,134.57)
Net-(D225-DOUT): length 6.3
  Top w0.13: D226.4 274.02,139.77 270.7,136.45 D225.2
Net-(D226-DOUT): length 6.3
  Top w0.13: D227.4 280.64,139.99 277.32,136.67 D226.2
Net-(D227-DOUT): length 6.3
  Top w0.13: D227.2 283.94,136.51 287.26,139.83 D228.4
Net-(D228-DOUT): length 6.3
  Top w0.13: D228.2 290.56,136.63 293.88,139.95 D229.4
Net-(D229-DOUT): length 6.3
  Top w0.13: D230.4 300.5,139.85 297.18,136.53 D229.2
Net-(D230-DOUT): length 6.3
  Top w0.13: D230.2 303.8,136.47 307.12,139.79 D231.4
Net-(D231-DOUT): length 6.3
  Top w0.13: D231.2 310.42,136.57 313.74,139.89 D232.4
Net-(D233-A): length 5.7
  Top w0.25: JP9.2 5.26,76.06 D233.2
Net-(D234-A): length 4.3
  Top w0.25: JP8.2 7.79,74.41 D234.2
Net-(D235-A): length 5.5
  Top w0.25: 4.12,80.05 4.79,79.38 D235.2
Net-(D236-A): length 5.3
  Top w0.25: 4.12,77.55 9.19,77.55 D236.2
Net-(D237-A): length 1.4
  Top w0.13: D237.2 137.1,152.13 R14.1
Net-(D238-A): length 1.5
  Top w0.13: R15.1 133.03,153.41 D238.2
Net-(D239-A): length 1.3
  Top w0.13: R16.1 204.55,153.35 D239.2
Net-(JP1-A): length 3.6
  Top w0.3: DC1.3 JP1.1
Net-(JP2-B): length 43.3
  Top w1: DC1.1 14.05,25.8 v3(16.85,23) ; 24.5,14.42 24.25,14.42 23.25,15.42 v3(23.25,15.45) 23.23,15.45 22.55,16.12 v3(22.55,16.15) 22.52,16.15 21.85,16.82 v3(21.85,16.9) 21.77,16.9 21.05,17.62 v3(21.05,17.65) 21.02,17.65 19.99,18.69 Q5.6 19.65,20.2 v3(18.25,21.6) v3(17.55,22.3) 16.9,22.95 ; Q5.7 Q5.5
  Bottom w1: DC1.1 14.05,25.8 v3(18.25,21.6) 20.05,19.8 20.05,18.75 23.25,15.55 v3(23.25,15.45)
  vias: v3(16.15,23.7)
Net-(JP3-B): length 2.5
  Top w0.15: R14.2 137.15,148.6 JP3.2
Net-(JP4-B): length 3.8
  Top w0.15: JP4.2 133,152.24 R15.2
Net-(JP5-B): length 2.8
  Top w0.15: R16.2 202.7,153.08 JP5.2
Net-(JP6-A): length 8.3
  Top w0.25: JP6.1 1.4,76.27 1.4,71.66 R10.2
Net-(JP7-A): length 10.8
  Top w0.25: JP7.1 0.95,78.32 0.95,71.02 R9.2
Net-(JP8-A): length 2.1
  Top w0.25: JP8.1 4.5,72.32 4.5,70.85 R8.2
Net-(JP9-A): length 5.6
  Top w0.25: R7.2 1.85,72.47 1.85,74.1 JP9.1
Net-(Q1-B): length 6.7
  Top w0.3: R1.2 8.41,61.66 12.01,65.26 Q1.1
Net-(Q2-B): length 8.3
  Top w0.3: R2.2 3.3,61.45 7.4,65.55 Q2.1
Net-(U2-V3): length 3
  Top w0.2: 10.08,55.21 10.24,55.05 C235.2
